# KiCad board processed.kicad_pcb
title: ULX4M-LS; date: 2022-10-01; rev: v0.0.3; company: Intergalaktik d.o.o.; note: License: CERN-OHL-S v2
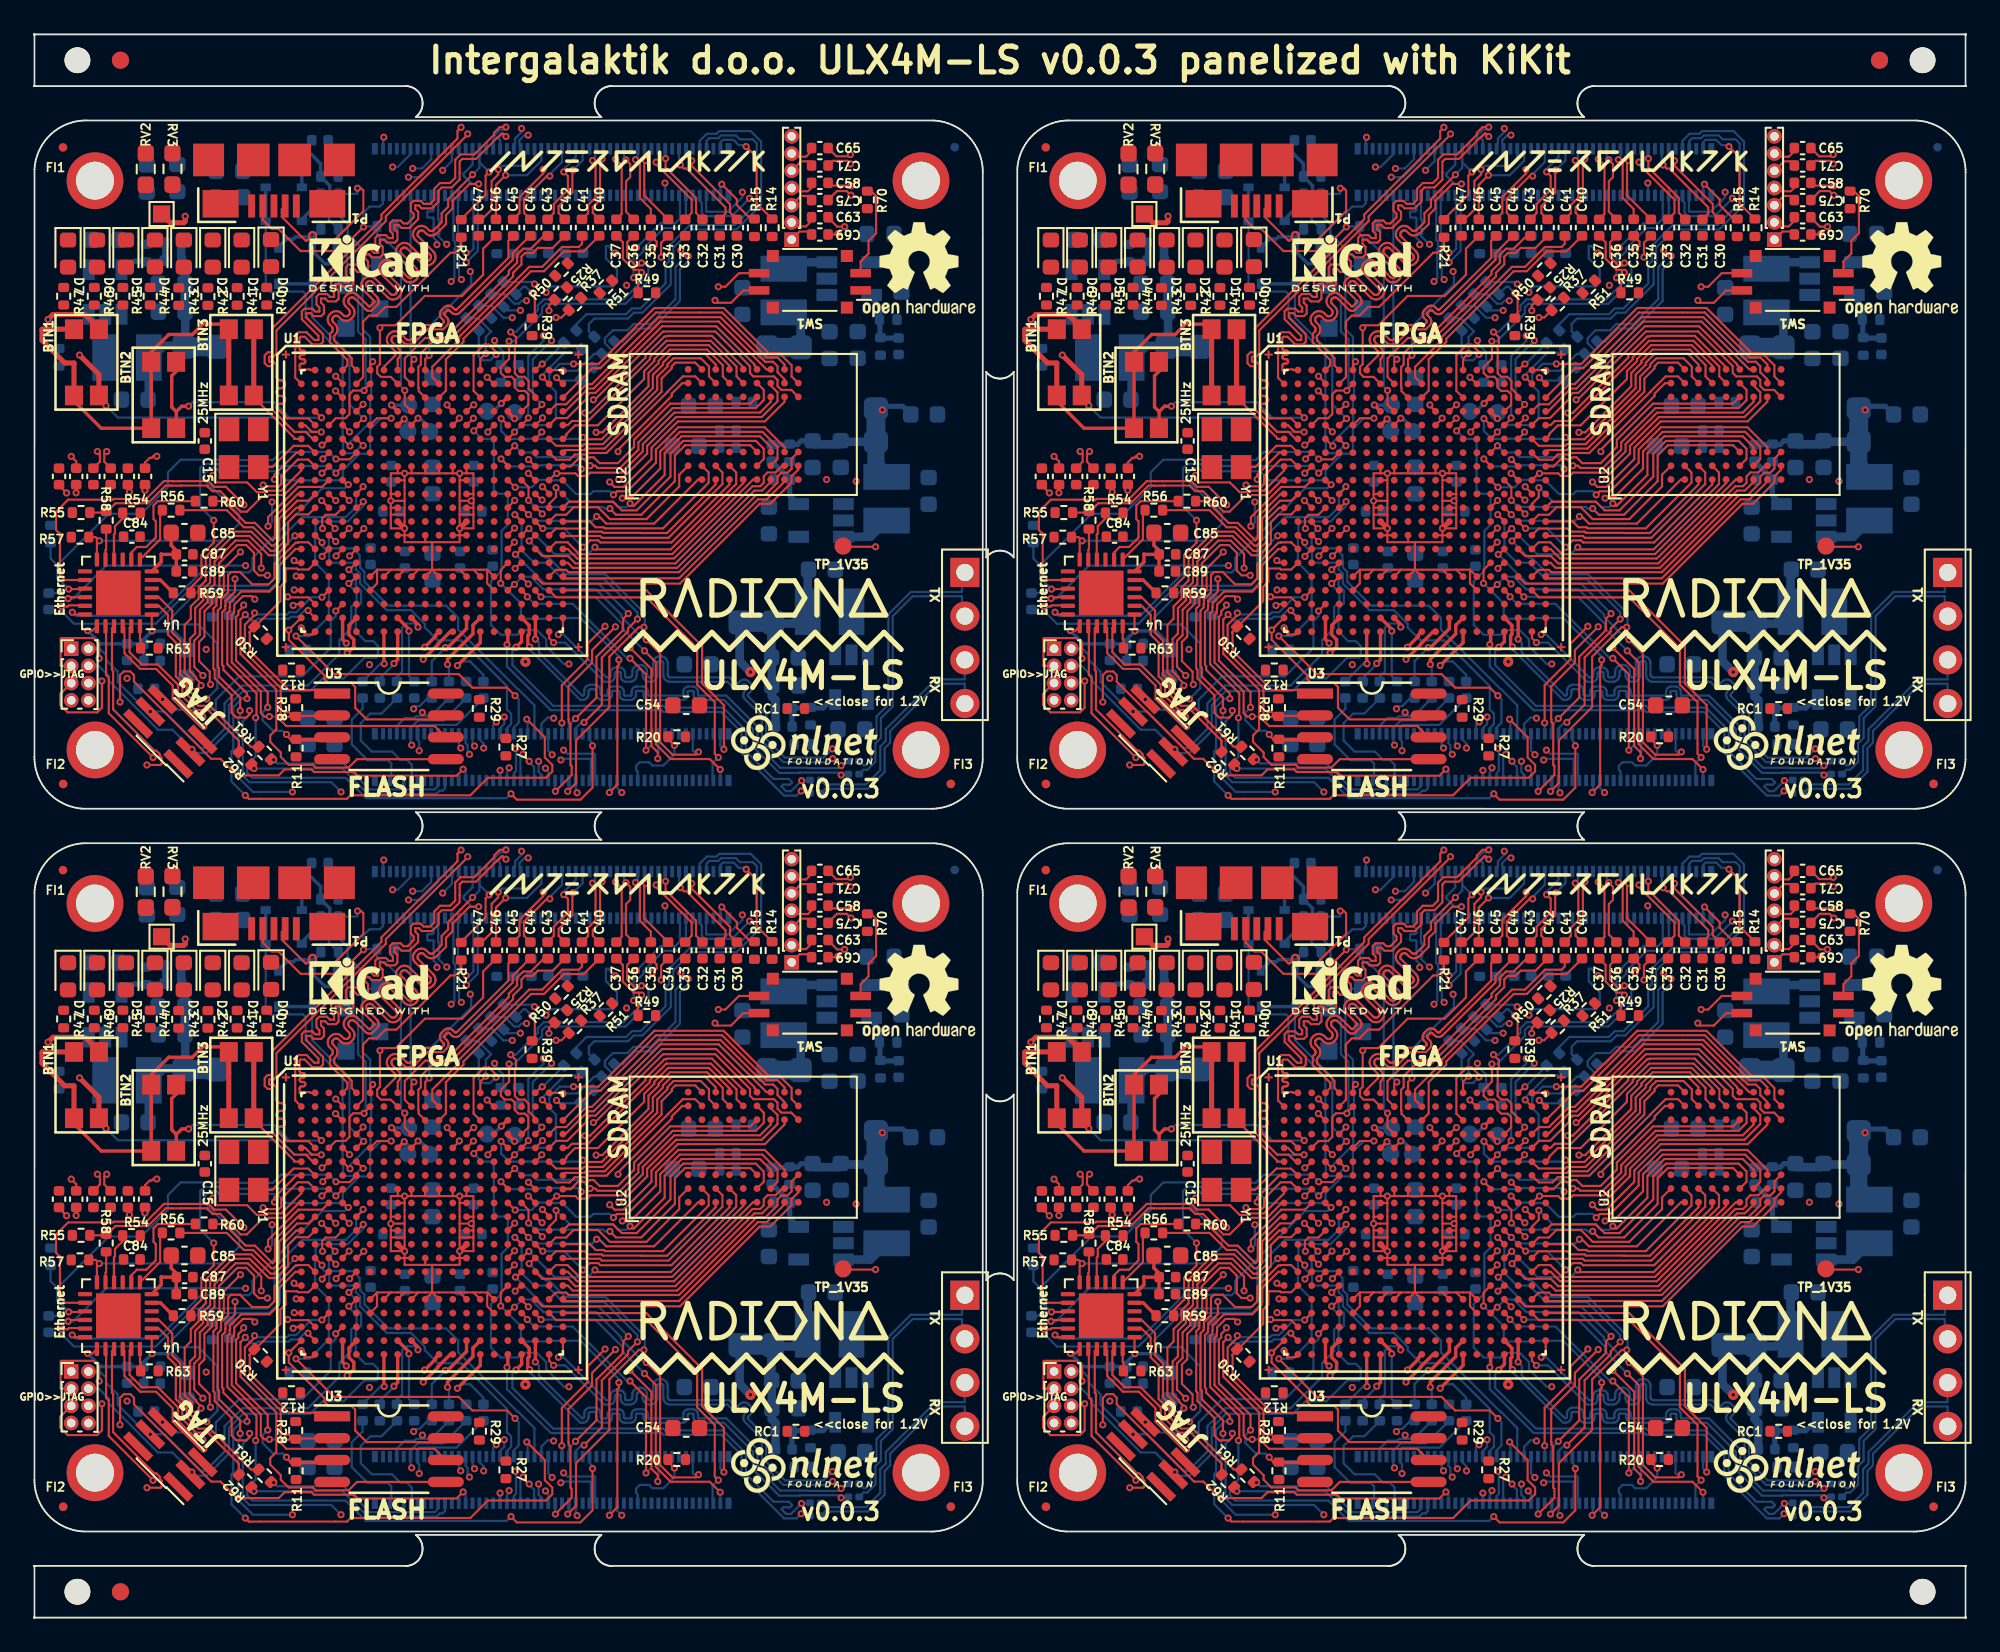
[diagram p0: board, top side]
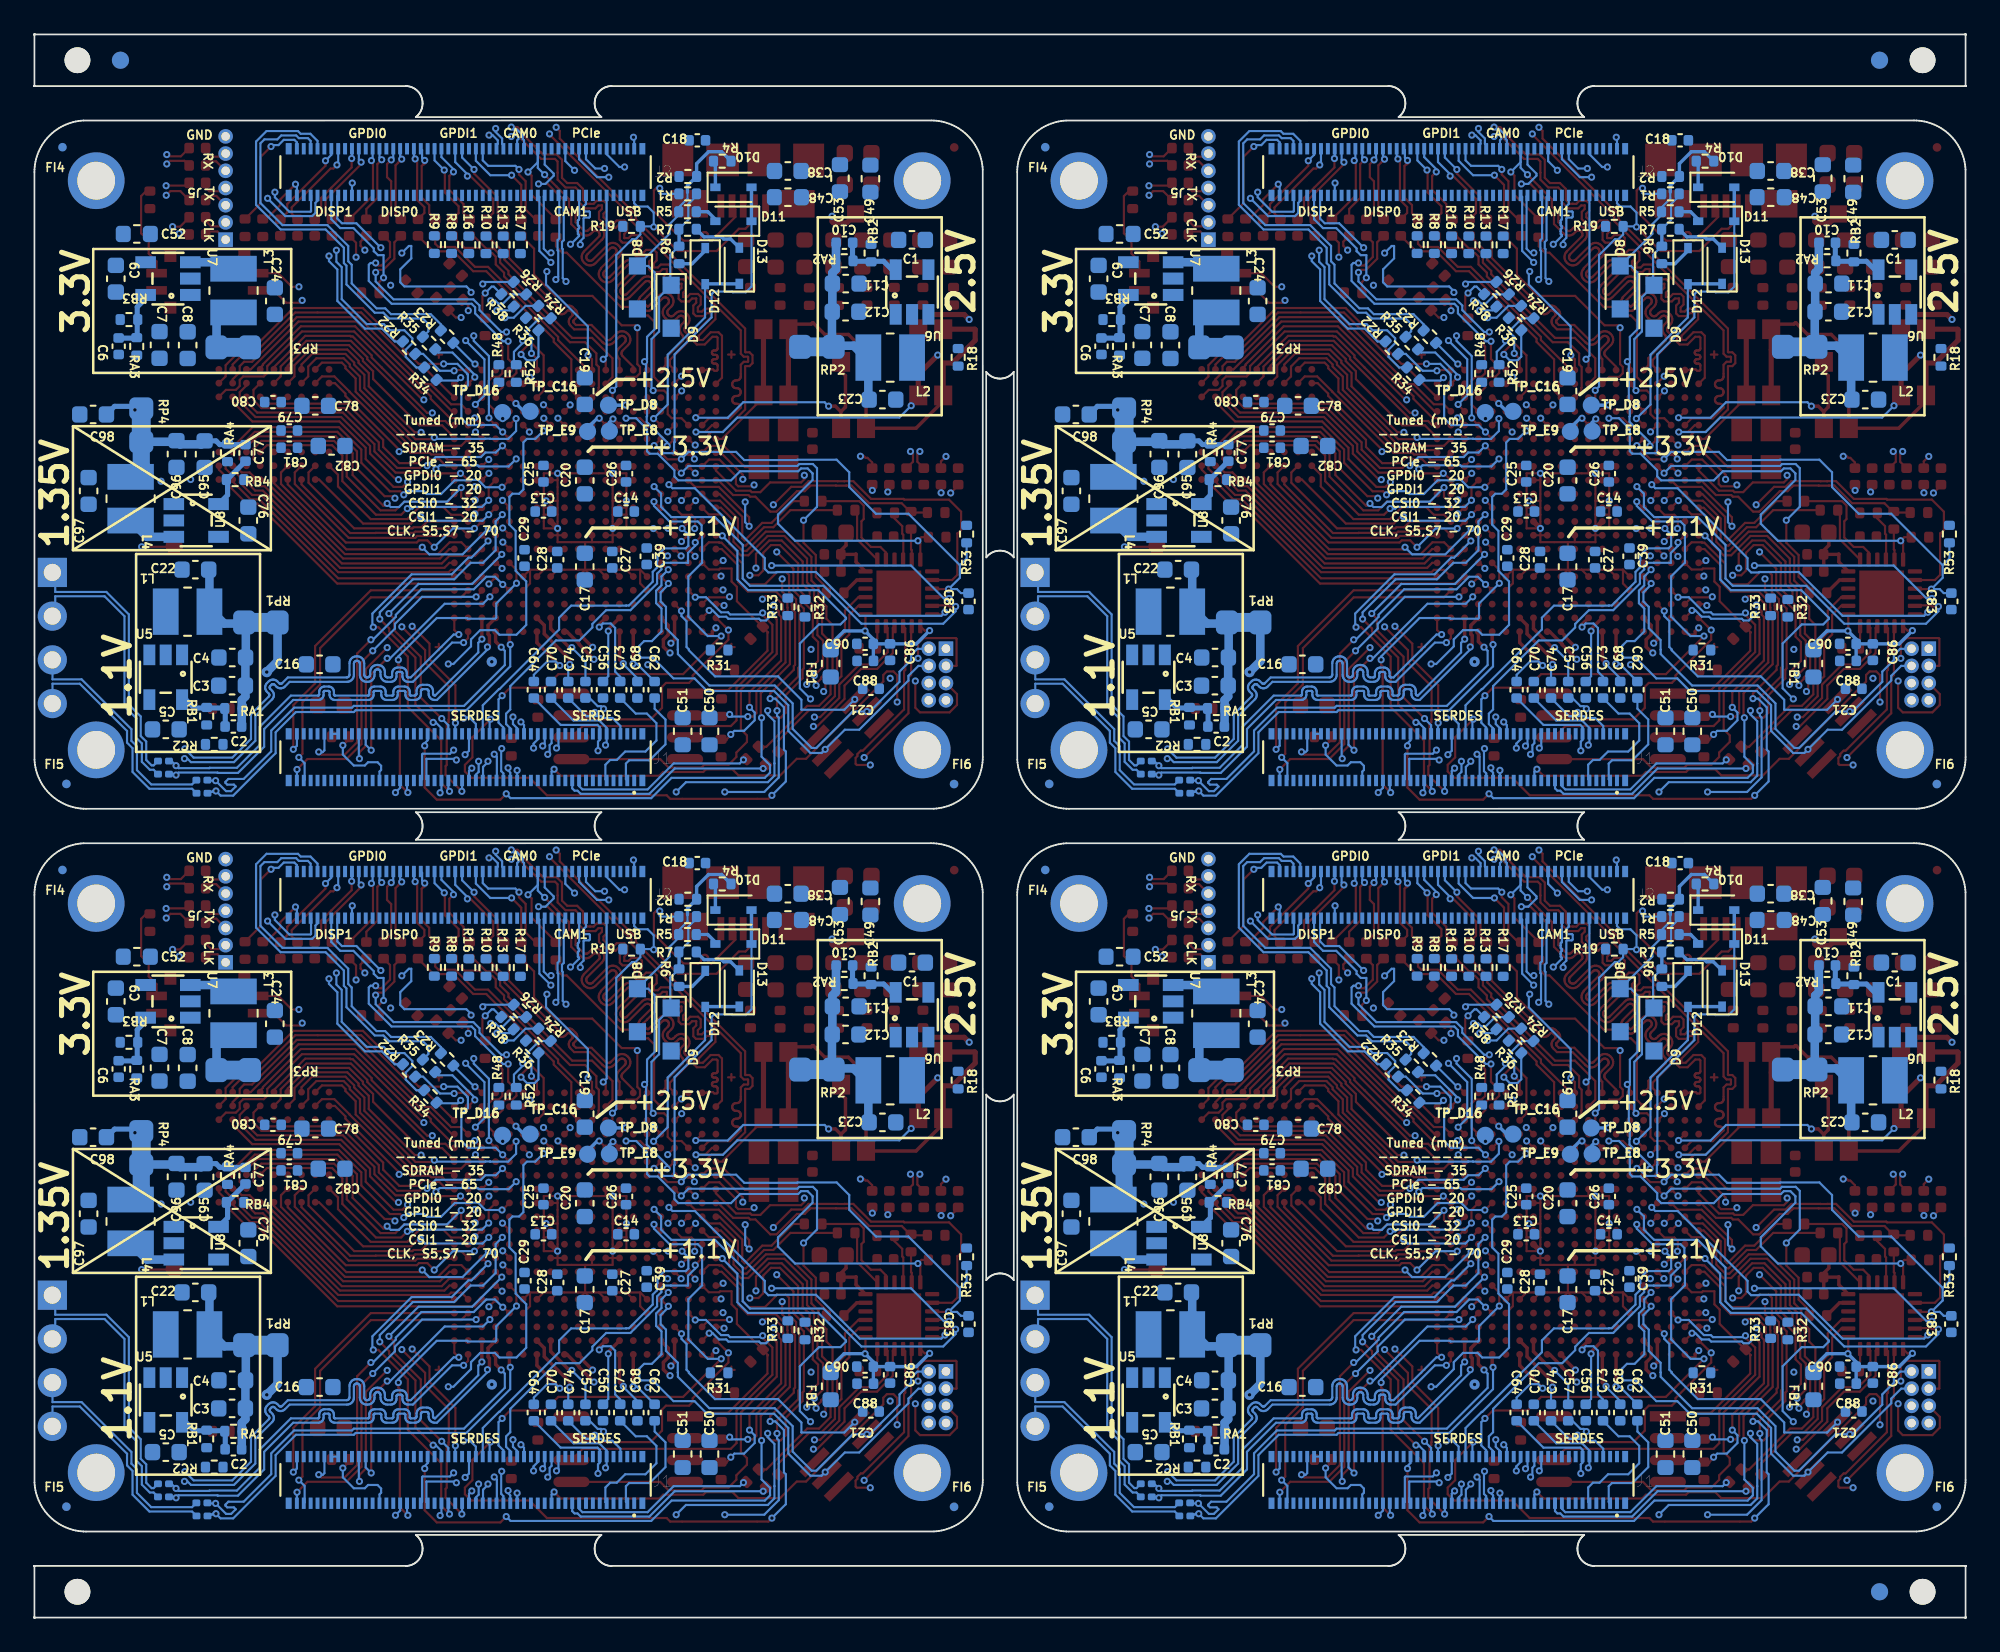
[diagram p1: board, bottom side, seen from below]

Outline 112.22 x 92 mm; copper layers: Top, In1.Cu, In2.Cu, In3.Cu, In4.Cu, Bottom. Coordinates in mm from the lower left corner of the outline.
Outline path: 0,91.99 0,89.01 0.01,89 0.01,89 21.56,89 21.61,89 21.66,89 21.71,88.99 21.76,88.98 21.81,88.97 21.85,88.96 21.9,88.94 21.94,88.92 21.99,88.9 22.03,88.88 22.07,88.86 22.12,88.83 22.15,88.81 22.19,88.78 22.23,88.74 22.27,88.71 22.3,88.67 22.33,88.64 22.36,88.6 22.39,88.56 22.41,88.52 22.44,88.48 22.46,88.43 22.48,88.39 22.5,88.34 22.51,88.3 22.53,88.25 22.54,88.2 22.54,88.16 22.55,88.11 22.55,88.06 22.55,88.01 22.55,87.99 22.55,87.94 22.55,87.89 22.54,87.84 22.54,87.8 22.53,87.75 22.51,87.7 22.5,87.66 22.48,87.61 22.46,87.57 22.44,87.52 22.41,87.48 22.39,87.44 22.36,87.4 22.33,87.36 22.3,87.32 22.27,87.29 22.23,87.25 22.19,87.22 22.16,87.2 32.95,87.2 32.92,87.22 32.88,87.25 32.84,87.29 32.81,87.32 32.78,87.36 32.75,87.4 32.72,87.44 32.7,87.48 32.67,87.52 32.65,87.56 32.63,87.61 32.61,87.65 32.6,87.7 32.58,87.75 32.57,87.79 32.57,87.84 32.56,87.89 32.56,87.94 32.55,87.99 32.55,88.01 32.56,88.06 32.56,88.11 32.57,88.16 32.57,88.2 32.58,88.25 32.6,88.3 32.61,88.34 32.63,88.39 32.65,88.43 32.67,88.48 32.7,88.52 32.72,88.56 32.75,88.6 32.78,88.64 32.81,88.67 32.84,88.71 32.88,88.74 32.92,88.78 32.96,88.81 32.99,88.83 33.04,88.86 33.08,88.88 33.12,88.9 33.17,88.92 33.21,88.94 33.26,88.96 33.3,88.97 33.35,88.98 33.4,88.99 33.45,89 33.5,89 33.55,89 78.67,89 78.72,89 78.77,89 78.82,88.99 78.87,88.98 78.92,88.97 78.96,88.96 79.01,88.94 79.05,88.92 79.1,88.9 79.14,88.88 79.18,88.86 79.23,88.83 79.26,88.81 79.3,88.78 79.34,88.74 79.38,88.71 79.41,88.67 79.44,88.64 79.47,88.6 79.5,88.56 79.52,88.52 79.55,88.48 79.57,88.43 79.59,88.39 79.61,88.34 79.62,88.3 79.64,88.25 79.65,88.2 79.65,88.16 79.66,88.11 79.66,88.06 79.67,88.01 79.67,87.99 79.66,87.94 79.66,87.89 79.65,87.84 79.65,87.8 79.64,87.75 79.62,87.7 79.61,87.66 79.59,87.61 79.57,87.57 79.55,87.52 79.52,87.48 79.5,87.44 79.47,87.4 79.44,87.36 79.41,87.32 79.38,87.29 79.34,87.25 79.3,87.22 79.27,87.2 90.06,87.2 90.03,87.22 89.99,87.25 89.95,87.29 89.92,87.32 89.89,87.36 89.86,87.4 89.83,87.44 89.81,87.48 89.78,87.52 89.76,87.56 89.74,87.61 89.72,87.65 89.71,87.7 89.69,87.75 89.68,87.79 89.68,87.84 89.67,87.89 89.67,87.94 89.67,87.99 89.67,88.01 89.67,88.06 89.67,88.11 89.68,88.16 89.68,88.2 89.69,88.25 89.71,88.3 89.72,88.34 89.74,88.39 89.76,88.43 89.78,88.48 89.81,88.52 89.83,88.56 89.86,88.6 89.89,88.64 89.92,88.67 89.95,88.71 89.99,88.74 90.03,88.78 90.07,88.81 90.1,88.83 90.15,88.86 90.19,88.88 90.23,88.9 90.28,88.92 90.32,88.94 90.37,88.96 90.41,88.97 90.46,88.98 90.51,88.99 90.56,89 90.61,89 90.66,89 112.21,89 112.22,89.01 112.22,89.01 112.22,91.99 112.21,92 112.21,92 0.01,92 0,91.99 0,91.99 ; 0,50 0,84.15 0.02,84.3 0.03,84.45 0.06,84.6 0.1,84.75 0.14,84.9 0.19,85.04 0.24,85.18 0.31,85.32 0.38,85.46 0.45,85.59 0.54,85.71 0.63,85.84 0.72,85.95 0.83,86.07 0.93,86.17 1.05,86.28 1.16,86.37 1.29,86.46 1.41,86.55 1.54,86.62 1.68,86.69 1.82,86.76 1.96,86.81 2.1,86.86 2.25,86.9 2.4,86.94 2.55,86.97 2.7,86.98 2.85,87 3,87 52.26,87 52.41,86.98 52.56,86.97 52.71,86.94 52.86,86.9 53.01,86.86 53.15,86.81 53.29,86.76 53.43,86.69 53.57,86.62 53.7,86.55 53.82,86.46 53.95,86.37 54.06,86.28 54.18,86.17 54.28,86.07 54.39,85.95 54.48,85.84 54.57,85.71 54.66,85.59 54.73,85.46 54.8,85.32 54.87,85.18 54.92,85.04 54.97,84.9 55.01,84.75 55.05,84.6 55.08,84.45 55.09,84.3 55.11,84.15 55.11,84 55.11,49.85 55.09,49.7 55.08,49.55 55.05,49.4 55.01,49.25 54.97,49.1 54.92,48.96 54.87,48.82 54.8,48.68 54.73,48.54 54.66,48.41 54.57,48.29 54.48,48.16 54.39,48.05 54.28,47.93 54.18,47.83 54.06,47.72 53.95,47.63 53.82,47.54 53.7,47.45 53.57,47.38 53.43,47.31 53.29,47.24 53.15,47.19 53.01,47.14 52.86,47.1 52.71,47.06 52.56,47.03 52.41,47.02 52.26,47 52.11,47 2.85,47 2.7,47.02 2.55,47.03 2.4,47.06 2.25,47.1 2.1,47.14 1.96,47.19 1.82,47.24 1.68,47.31 1.54,47.38 1.41,47.45 1.29,47.54 1.16,47.63 1.05,47.72 0.93,47.83 0.83,47.93 0.72,48.05 0.63,48.16 0.54,48.29 0.45,48.41 0.38,48.54 0.31,48.68 0.24,48.82 0.19,48.96 0.14,49.1 0.1,49.25 0.06,49.4 0.03,49.55 0.02,49.7 0,49.85 0,50 ; 0,8 0,42.15 0.02,42.3 0.03,42.45 0.06,42.6 0.1,42.75 0.14,42.9 0.19,43.04 0.24,43.18 0.31,43.32 0.38,43.46 0.45,43.59 0.54,43.71 0.63,43.84 0.72,43.95 0.83,44.07 0.93,44.17 1.05,44.28 1.16,44.37 1.29,44.46 1.41,44.55 1.54,44.62 1.68,44.69 1.82,44.76 1.96,44.81 2.1,44.86 2.25,44.9 2.4,44.94 2.55,44.97 2.7,44.98 2.85,45 3,45 52.26,45 52.41,44.98 52.56,44.97 52.71,44.94 52.86,44.9 53.01,44.86 53.15,44.81 53.29,44.76 53.43,44.69 53.57,44.62 53.7,44.55 53.82,44.46 53.95,44.37 54.06,44.28 54.18,44.17 54.28,44.07 54.39,43.95 54.48,43.84 54.57,43.71 54.66,43.59 54.73,43.46 54.8,43.32 54.87,43.18 54.92,43.04 54.97,42.9 55.01,42.75 55.05,42.6 55.08,42.45 55.09,42.3 55.11,42.15 55.11,42 55.11,7.85 55.09,7.7 55.08,7.55 55.05,7.4 55.01,7.25 54.97,7.1 54.92,6.96 54.87,6.82 54.8,6.68 54.73,6.54 54.66,6.41 54.57,6.29 54.48,6.16 54.39,6.05 54.28,5.93 54.18,5.83 54.06,5.72 53.95,5.63 53.82,5.54 53.7,5.45 53.57,5.38 53.43,5.31 53.29,5.24 53.15,5.19 53.01,5.14 52.86,5.1 52.71,5.06 52.56,5.03 52.41,5.02 52.26,5 52.11,5 2.85,5 2.7,5.02 2.55,5.03 2.4,5.06 2.25,5.1 2.1,5.14 1.96,5.19 1.82,5.24 1.68,5.31 1.54,5.38 1.41,5.45 1.29,5.54 1.16,5.63 1.05,5.72 0.93,5.83 0.83,5.93 0.72,6.05 0.63,6.16 0.54,6.29 0.45,6.41 0.38,6.54 0.31,6.68 0.24,6.82 0.19,6.96 0.14,7.1 0.1,7.25 0.06,7.4 0.03,7.55 0.02,7.7 0,7.85 0,8 ; 0,2.99 0,0.01 0.01,0 0.01,0 112.21,0 112.22,0.01 112.22,0.01 112.22,2.99 112.21,3 112.21,3 90.66,3 90.61,3 90.56,3 90.51,3.01 90.46,3.02 90.41,3.03 90.37,3.04 90.32,3.06 90.28,3.08 90.23,3.1 90.19,3.12 90.15,3.14 90.1,3.17 90.07,3.19 90.03,3.22 89.99,3.26 89.95,3.29 89.92,3.33 89.89,3.36 89.86,3.4 89.83,3.44 89.81,3.48 89.78,3.52 89.76,3.57 89.74,3.61 89.72,3.66 89.71,3.7 89.69,3.75 89.68,3.8 89.68,3.84 89.67,3.89 89.67,3.94 89.67,3.99 89.67,4.01 89.67,4.06 89.67,4.11 89.68,4.16 89.68,4.2 89.69,4.25 89.71,4.3 89.72,4.34 89.74,4.39 89.76,4.43 89.78,4.48 89.81,4.52 89.83,4.56 89.86,4.6 89.89,4.64 89.92,4.68 89.95,4.71 89.99,4.75 90.03,4.78 90.06,4.8 79.27,4.8 79.3,4.78 79.34,4.75 79.38,4.71 79.41,4.68 79.44,4.64 79.47,4.6 79.5,4.56 79.52,4.52 79.55,4.48 79.57,4.44 79.59,4.39 79.61,4.35 79.62,4.3 79.64,4.25 79.65,4.21 79.65,4.16 79.66,4.11 79.66,4.06 79.67,4.01 79.67,3.99 79.66,3.94 79.66,3.89 79.65,3.84 79.65,3.8 79.64,3.75 79.62,3.7 79.61,3.66 79.59,3.61 79.57,3.57 79.55,3.52 79.52,3.48 79.5,3.44 79.47,3.4 79.44,3.36 79.41,3.33 79.38,3.29 79.34,3.26 79.3,3.22 79.26,3.19 79.23,3.17 79.18,3.14 79.14,3.12 79.1,3.1 79.05,3.08 79.01,3.06 78.96,3.04 78.92,3.03 78.87,3.02 78.82,3.01 78.77,3 78.72,3 78.67,3 33.55,3 33.5,3 33.45,3 33.4,3.01 33.35,3.02 33.3,3.03 33.26,3.04 33.21,3.06 33.17,3.08 33.12,3.1 33.08,3.12 33.04,3.14 32.99,3.17 32.96,3.19 32.92,3.22 32.88,3.26 32.84,3.29 32.81,3.33 32.78,3.36 32.75,3.4 32.72,3.44 32.7,3.48 32.67,3.52 32.65,3.57 32.63,3.61 32.61,3.66 32.6,3.7 32.58,3.75 32.57,3.8 32.57,3.84 32.56,3.89 32.56,3.94 32.55,3.99 32.55,4.01 32.56,4.06 32.56,4.11 32.57,4.16 32.57,4.2 32.58,4.25 32.6,4.3 32.61,4.34 32.63,4.39 32.65,4.43 32.67,4.48 32.7,4.52 32.72,4.56 32.75,4.6 32.78,4.64 32.81,4.68 32.84,4.71 32.88,4.75 32.92,4.78 32.95,4.8 22.16,4.8 22.19,4.78 22.23,4.75 22.27,4.71 22.3,4.68 22.33,4.64 22.36,4.6 22.39,4.56 22.41,4.52 22.44,4.48 22.46,4.44 22.48,4.39 22.5,4.35 22.51,4.3 22.53,4.25 22.54,4.21 22.54,4.16 22.55,4.11 22.55,4.06 22.55,4.01 22.55,3.99 22.55,3.94 22.55,3.89 22.54,3.84 22.54,3.8 22.53,3.75 22.51,3.7 22.5,3.66 22.48,3.61 22.46,3.57 22.44,3.52 22.41,3.48 22.39,3.44 22.36,3.4 22.33,3.36 22.3,3.33 22.27,3.29 22.23,3.26 22.19,3.22 22.15,3.19 22.12,3.17 22.07,3.14 22.03,3.12 21.99,3.1 21.94,3.08 21.9,3.06 21.85,3.04 21.81,3.03 21.76,3.02 21.71,3.01 21.66,3 21.61,3 21.56,3 0.01,3 0,2.99 0,2.99 ; 22.16,45.2 32.95,45.2 32.92,45.22 32.88,45.25 32.84,45.29 32.81,45.32 32.78,45.36 32.75,45.4 32.72,45.44 32.7,45.48 32.67,45.52 32.65,45.56 32.63,45.61 32.61,45.65 32.6,45.7 32.58,45.75 32.57,45.79 32.57,45.84 32.56,45.89 32.56,45.94 32.55,45.99 32.55,46.01 32.56,46.06 32.56,46.11 32.57,46.16 32.57,46.2 32.58,46.25 32.6,46.3 32.61,46.34 32.63,46.39 32.65,46.43 32.67,46.48 32.7,46.52 32.72,46.56 32.75,46.6 32.78,46.64 32.81,46.68 32.84,46.71 32.88,46.75 32.92,46.78 32.95,46.8 22.16,46.8 22.19,46.78 22.23,46.75 22.27,46.71 22.3,46.68 22.33,46.64 22.36,46.6 22.39,46.56 22.41,46.52 22.44,46.48 22.46,46.44 22.48,46.39 22.5,46.35 22.51,46.3 22.53,46.25 22.54,46.21 22.54,46.16 22.55,46.11 22.55,46.06 22.55,46.01 22.55,45.99 22.55,45.94 22.55,45.89 22.54,45.84 22.54,45.8 22.53,45.75 22.51,45.7 22.5,45.66 22.48,45.61 22.46,45.57 22.44,45.52 22.41,45.48 22.39,45.44 22.36,45.4 22.33,45.36 22.3,45.32 22.27,45.29 22.23,45.25 22.19,45.22 22.16,45.2 ; 55.31,61.61 55.33,61.64 55.36,61.67 55.4,61.71 55.43,61.74 55.47,61.78 55.51,61.81 55.55,61.83 55.59,61.86 55.63,61.88 55.67,61.9 55.72,61.92 55.76,61.94 55.81,61.96 55.86,61.97 55.9,61.98 55.95,61.99 56,62 56.05,62 56.1,62 56.12,62 56.17,62 56.22,62 56.27,61.99 56.31,61.98 56.36,61.97 56.41,61.96 56.45,61.94 56.5,61.92 56.54,61.9 56.59,61.88 56.63,61.86 56.67,61.83 56.71,61.81 56.75,61.78 56.79,61.74 56.82,61.71 56.85,61.67 56.89,61.64 56.91,61.61 56.91,72.39 56.89,72.36 56.86,72.33 56.82,72.29 56.79,72.26 56.75,72.22 56.71,72.19 56.67,72.17 56.63,72.14 56.59,72.12 56.55,72.1 56.5,72.08 56.46,72.06 56.41,72.04 56.36,72.03 56.32,72.02 56.27,72.01 56.22,72 56.17,72 56.12,72 56.1,72 56.05,72 56,72 55.95,72.01 55.91,72.02 55.86,72.03 55.81,72.04 55.77,72.06 55.72,72.08 55.68,72.1 55.63,72.12 55.59,72.14 55.55,72.17 55.51,72.19 55.47,72.22 55.43,72.26 55.4,72.29 55.37,72.33 55.33,72.36 55.31,72.39 55.31,61.61 ; 55.31,19.61 55.33,19.64 55.36,19.67 55.4,19.71 55.43,19.74 55.47,19.78 55.51,19.81 55.55,19.83 55.59,19.86 55.63,19.88 55.67,19.9 55.72,19.92 55.76,19.94 55.81,19.96 55.86,19.97 55.9,19.98 55.95,19.99 56,20 56.05,20 56.1,20 56.12,20 56.17,20 56.22,20 56.27,19.99 56.31,19.98 56.36,19.97 56.41,19.96 56.45,19.94 56.5,19.92 56.54,19.9 56.59,19.88 56.63,19.86 56.67,19.83 56.71,19.81 56.75,19.78 56.79,19.74 56.82,19.71 56.85,19.67 56.89,19.64 56.91,19.61 56.91,30.39 56.89,30.36 56.86,30.33 56.82,30.29 56.79,30.26 56.75,30.22 56.71,30.19 56.67,30.17 56.63,30.14 56.59,30.12 56.55,30.1 56.5,30.08 56.46,30.06 56.41,30.04 56.36,30.03 56.32,30.02 56.27,30.01 56.22,30 56.17,30 56.12,30 56.1,30 56.05,30 56,30 55.95,30.01 55.91,30.02 55.86,30.03 55.81,30.04 55.77,30.06 55.72,30.08 55.68,30.1 55.63,30.12 55.59,30.14 55.55,30.17 55.51,30.19 55.47,30.22 55.43,30.26 55.4,30.29 55.37,30.33 55.33,30.36 55.31,30.39 55.31,19.61 ; 57.11,50 57.11,84.15 57.13,84.3 57.14,84.45 57.17,84.6 57.21,84.75 57.25,84.9 57.3,85.04 57.35,85.18 57.42,85.32 57.49,85.46 57.56,85.59 57.65,85.71 57.74,85.84 57.83,85.95 57.94,86.07 58.04,86.17 58.16,86.28 58.27,86.37 58.4,86.46 58.52,86.55 58.65,86.62 58.79,86.69 58.93,86.76 59.07,86.81 59.21,86.86 59.36,86.9 59.51,86.94 59.66,86.97 59.81,86.98 59.96,87 60.11,87 109.37,87 109.52,86.98 109.67,86.97 109.82,86.94 109.97,86.9 110.12,86.86 110.26,86.81 110.4,86.76 110.54,86.69 110.68,86.62 110.81,86.55 110.93,86.46 111.06,86.37 111.17,86.28 111.29,86.17 111.39,86.07 111.5,85.95 111.59,85.84 111.68,85.71 111.77,85.59 111.84,85.46 111.91,85.32 111.98,85.18 112.03,85.04 112.08,84.9 112.12,84.75 112.16,84.6 112.19,84.45 112.2,84.3 112.22,84.15 112.22,84 112.22,49.85 112.2,49.7 112.19,49.55 112.16,49.4 112.12,49.25 112.08,49.1 112.03,48.96 111.98,48.82 111.91,48.68 111.84,48.54 111.77,48.41 111.68,48.29 111.59,48.16 111.5,48.05 111.39,47.93 111.29,47.83 111.17,47.72 111.06,47.63 110.93,47.54 110.81,47.45 110.68,47.38 110.54,47.31 110.4,47.24 110.26,47.19 110.12,47.14 109.97,47.1 109.82,47.06 109.67,47.03 109.52,47.02 109.37,47 109.22,47 59.96,47 59.81,47.02 59.66,47.03 59.51,47.06 59.36,47.1 59.21,47.14 59.07,47.19 58.93,47.24 58.79,47.31 58.65,47.38 58.52,47.45 58.4,47.54 58.27,47.63 58.16,47.72 58.04,47.83 57.94,47.93 57.83,48.05 57.74,48.16 57.65,48.29 57.56,48.41 57.49,48.54 57.42,48.68 57.35,48.82 57.3,48.96 57.25,49.1 57.21,49.25 57.17,49.4 57.14,49.55 57.13,49.7 57.11,49.85 57.11,50 ; 57.11,8 57.11,42.15 57.13,42.3 57.14,42.45 57.17,42.6 57.21,42.75 57.25,42.9 57.3,43.04 57.35,43.18 57.42,43.32 57.49,43.46 57.56,43.59 57.65,43.71 57.74,43.84 57.83,43.95 57.94,44.07 58.04,44.17 58.16,44.28 58.27,44.37 58.4,44.46 58.52,44.55 58.65,44.62 58.79,44.69 58.93,44.76 59.07,44.81 59.21,44.86 59.36,44.9 59.51,44.94 59.66,44.97 59.81,44.98 59.96,45 60.11,45 109.37,45 109.52,44.98 109.67,44.97 109.82,44.94 109.97,44.9 110.12,44.86 110.26,44.81 110.4,44.76 110.54,44.69 110.68,44.62 110.81,44.55 110.93,44.46 111.06,44.37 111.17,44.28 111.29,44.17 111.39,44.07 111.5,43.95 111.59,43.84 111.68,43.71 111.77,43.59 111.84,43.46 111.91,43.32 111.98,43.18 112.03,43.04 112.08,42.9 112.12,42.75 112.16,42.6 112.19,42.45 112.2,42.3 112.22,42.15 112.22,42 112.22,7.85 112.2,7.7 112.19,7.55 112.16,7.4 112.12,7.25 112.08,7.1 112.03,6.96 111.98,6.82 111.91,6.68 111.84,6.54 111.77,6.41 111.68,6.29 111.59,6.16 111.5,6.05 111.39,5.93 111.29,5.83 111.17,5.72 111.06,5.63 110.93,5.54 110.81,5.45 110.68,5.38 110.54,5.31 110.4,5.24 110.26,5.19 110.12,5.14 109.97,5.1 109.82,5.06 109.67,5.03 109.52,5.02 109.37,5 109.22,5 59.96,5 59.81,5.02 59.66,5.03 59.51,5.06 59.36,5.1 59.21,5.14 59.07,5.19 58.93,5.24 58.79,5.31 58.65,5.38 58.52,5.45 58.4,5.54 58.27,5.63 58.16,5.72 58.04,5.83 57.94,5.93 57.83,6.05 57.74,6.16 57.65,6.29 57.56,6.41 57.49,6.54 57.42,6.68 57.35,6.82 57.3,6.96 57.25,7.1 57.21,7.25 57.17,7.4 57.14,7.55 57.13,7.7 57.11,7.85 57.11,8 ; 79.27,45.2 90.06,45.2 90.03,45.22 89.99,45.25 89.95,45.29 89.92,45.32 89.89,45.36 89.86,45.4 89.83,45.44 89.81,45.48 89.78,45.52 89.76,45.56 89.74,45.61 89.72,45.65 89.71,45.7 89.69,45.75 89.68,45.79 89.68,45.84 89.67,45.89 89.67,45.94 89.67,45.99 89.67,46.01 89.67,46.06 89.67,46.11 89.68,46.16 89.68,46.2 89.69,46.25 89.71,46.3 89.72,46.34 89.74,46.39 89.76,46.43 89.78,46.48 89.81,46.52 89.83,46.56 89.86,46.6 89.89,46.64 89.92,46.68 89.95,46.71 89.99,46.75 90.03,46.78 90.06,46.8 79.27,46.8 79.3,46.78 79.34,46.75 79.38,46.71 79.41,46.68 79.44,46.64 79.47,46.6 79.5,46.56 79.52,46.52 79.55,46.48 79.57,46.44 79.59,46.39 79.61,46.35 79.62,46.3 79.64,46.25 79.65,46.21 79.65,46.16 79.66,46.11 79.66,46.06 79.67,46.01 79.67,45.99 79.66,45.94 79.66,45.89 79.65,45.84 79.65,45.8 79.64,45.75 79.62,45.7 79.61,45.66 79.59,45.61 79.57,45.57 79.55,45.52 79.52,45.48 79.5,45.44 79.47,45.4 79.44,45.36 79.41,45.32 79.38,45.29 79.34,45.25 79.3,45.22 79.27,45.2

## Placement (name value [footprint] x y rotation side)
1.1V_1  1.1V  [TestPoint_Pad_1.0x1.0mm]  7.39 81.57 0 top
1.1V_1#2  1.1V  [TestPoint_Pad_1.0x1.0mm]  7.39 39.56 0 top
1.1V_1#3  1.1V  [TestPoint_Pad_1.0x1.0mm]  64.5 39.56 0 top
1.1V_1#4  1.1V  [TestPoint_Pad_1.0x1.0mm]  64.5 81.57 0 top
BTN1  SW_Push  [Switch_EVPAA]  3.02 72.95 90 top
BTN1#2  SW_Push  [Switch_EVPAA]  60.14 72.95 90 top
BTN1#3  SW_Push  [Switch_EVPAA]  60.14 30.94 90 top
BTN1#4  SW_Push  [Switch_EVPAA]  3.02 30.94 90 top
BTN2  SW_Push  [Switch_EVPAA]  7.51 71.05 90 top
BTN2#2  SW_Push  [Switch_EVPAA]  64.62 71.05 90 top
BTN2#3  SW_Push  [Switch_EVPAA]  7.51 29.04 90 top
BTN2#4  SW_Push  [Switch_EVPAA]  64.62 29.04 90 top
BTN3  SW_Push  [Switch_EVPAA]  12.02 72.95 90 top
BTN3#2  SW_Push  [Switch_EVPAA]  69.13 72.95 90 top
BTN3#3  SW_Push  [Switch_EVPAA]  12.02 30.94 90 top
BTN3#4  SW_Push  [Switch_EVPAA]  69.13 30.94 90 top
C1  22uF  [C_0603_1608Metric]  4.11 80.06 0 bottom
C1#2  22uF  [C_0603_1608Metric]  61.23 80.06 0 bottom
C1#3  22uF  [C_0603_1608Metric]  61.23 38.06 0 bottom
C1#4  22uF  [C_0603_1608Metric]  4.11 38.06 0 bottom
C2  100pF  [C_0402_1005Metric]  43.55 51.78 0 bottom
C2#2  100pF  [C_0402_1005Metric]  100.66 51.78 0 bottom
C2#3  100pF  [C_0402_1005Metric]  43.55 9.78 0 bottom
C2#4  100pF  [C_0402_1005Metric]  100.66 9.78 0 bottom
C3  22uF  [C_0603_1608Metric]  43.62 54.16 0 bottom
C3#2  22uF  [C_0603_1608Metric]  100.74 54.16 0 bottom
C3#3  22uF  [C_0603_1608Metric]  43.62 12.15 0 bottom
C3#4  22uF  [C_0603_1608Metric]  100.74 12.15 0 bottom
C4  22uF  [C_0603_1608Metric]  43.62 55.79 0 bottom
C4#2  22uF  [C_0603_1608Metric]  100.73 55.79 0 bottom
C4#3  22uF  [C_0603_1608Metric]  43.62 13.79 0 bottom
C4#4  22uF  [C_0603_1608Metric]  100.73 13.79 0 bottom
C5  22uF  [C_0603_1608Metric]  47.48 51.62 180 bottom
C5#2  22uF  [C_0603_1608Metric]  104.59 51.62 180 bottom
C5#3  22uF  [C_0603_1608Metric]  47.48 9.61 180 bottom
C5#4  22uF  [C_0603_1608Metric]  104.59 9.61 180 bottom
C6  100pF  [C_0402_1005Metric]  50.21 73.88 90 bottom
C6#2  100pF  [C_0402_1005Metric]  107.33 73.88 90 bottom
C6#3  100pF  [C_0402_1005Metric]  50.21 31.88 90 bottom
C6#4  100pF  [C_0402_1005Metric]  107.33 31.88 90 bottom
C7  22uF  [C_0603_1608Metric]  47.84 73.96 90 bottom
C7#2  22uF  [C_0603_1608Metric]  104.95 73.96 90 bottom
C7#3  22uF  [C_0603_1608Metric]  47.84 31.95 90 bottom
C7#4  22uF  [C_0603_1608Metric]  104.95 31.95 90 bottom
C8  22uF  [C_0603_1608Metric]  46.2 73.95 90 bottom
C8#2  22uF  [C_0603_1608Metric]  103.32 73.95 90 bottom
C8#3  22uF  [C_0603_1608Metric]  46.2 31.94 90 bottom
C8#4  22uF  [C_0603_1608Metric]  103.32 31.94 90 bottom
C9  22uF  [C_0603_1608Metric]  50.38 77.81 270 bottom
C9#2  22uF  [C_0603_1608Metric]  107.49 77.81 270 bottom
C9#3  22uF  [C_0603_1608Metric]  50.38 35.8 270 bottom
C9#4  22uF  [C_0603_1608Metric]  107.49 35.8 270 bottom
C10  100pF  [C_0402_1005Metric]  8.04 79.9 180 bottom
C10#2  100pF  [C_0402_1005Metric]  65.15 79.9 180 bottom
C10#3  100pF  [C_0402_1005Metric]  8.04 37.89 180 bottom
C10#4  100pF  [C_0402_1005Metric]  65.15 37.89 180 bottom
C11  22uF  [C_0603_1608Metric]  7.96 77.52 180 bottom
C11#2  22uF  [C_0603_1608Metric]  65.08 77.52 180 bottom
C11#3  22uF  [C_0603_1608Metric]  7.96 35.52 180 bottom
C11#4  22uF  [C_0603_1608Metric]  65.08 35.52 180 bottom
C12  22uF  [C_0603_1608Metric]  7.98 75.89 180 bottom
C12#2  22uF  [C_0603_1608Metric]  65.09 75.89 180 bottom
C12#3  22uF  [C_0603_1608Metric]  7.98 33.88 180 bottom
C12#4  22uF  [C_0603_1608Metric]  65.09 33.88 180 bottom
C13  22nF  [C_0402_1005Metric]  25.53 64.28 180 bottom
C13#2  22nF  [C_0402_1005Metric]  82.64 64.28 180 bottom
C13#3  22nF  [C_0402_1005Metric]  25.53 22.27 180 bottom
C13#4  22nF  [C_0402_1005Metric]  82.64 22.27 180 bottom
C14  22nF  [C_0402_1005Metric]  20.73 64.28 0 bottom
C14#2  22nF  [C_0402_1005Metric]  77.84 64.28 0 bottom
C14#3  22nF  [C_0402_1005Metric]  20.73 22.27 0 bottom
C14#4  22nF  [C_0402_1005Metric]  77.84 22.27 0 bottom
C15  22nF  [C_0402_1005Metric]  9.9 68.38 270 top
C15#2  22nF  [C_0402_1005Metric]  67.01 68.38 270 top
C15#3  22nF  [C_0402_1005Metric]  9.9 26.37 270 top
C15#4  22nF  [C_0402_1005Metric]  67.01 26.37 270 top
C16  2.2uF  [C_0603_1608Metric]  38.54 55.4 0 bottom
C16#2  2.2uF  [C_0603_1608Metric]  95.65 55.4 0 bottom
C16#3  2.2uF  [C_0603_1608Metric]  38.54 13.39 0 bottom
C16#4  2.2uF  [C_0603_1608Metric]  95.65 13.39 0 bottom
C17  2.2uF  [C_0603_1608Metric]  23.13 61.08 270 bottom
C17#2  2.2uF  [C_0603_1608Metric]  80.24 61.08 270 bottom
C17#3  2.2uF  [C_0603_1608Metric]  23.13 19.07 270 bottom
C17#4  2.2uF  [C_0603_1608Metric]  80.24 19.07 270 bottom
C18  22nF  [C_0402_1005Metric]  16.59 85.85 0 bottom
C18#2  22nF  [C_0402_1005Metric]  73.7 85.85 0 bottom
C18#3  22nF  [C_0402_1005Metric]  16.59 43.84 0 bottom
C18#4  22nF  [C_0402_1005Metric]  73.7 43.84 0 bottom
C19  2.2uF  [C_0603_1608Metric]  23.13 71.28 90 bottom
C19#2  2.2uF  [C_0603_1608Metric]  80.24 71.28 90 bottom
C19#3  2.2uF  [C_0603_1608Metric]  23.13 29.27 90 bottom
C19#4  2.2uF  [C_0603_1608Metric]  80.24 29.27 90 bottom
C20  2.2uF  [C_0603_1608Metric]  23.13 66.08 270 bottom
C20#2  2.2uF  [C_0603_1608Metric]  80.24 66.08 270 bottom
C20#3  2.2uF  [C_0603_1608Metric]  23.13 24.07 270 bottom
C20#4  2.2uF  [C_0603_1608Metric]  80.24 24.07 270 bottom
C21  22nF  [C_0402_1005Metric]  6.5 53.98 180 bottom
C21#2  22nF  [C_0402_1005Metric]  63.61 53.98 180 bottom
C21#3  22nF  [C_0402_1005Metric]  6.5 11.97 180 bottom
C21#4  22nF  [C_0402_1005Metric]  63.61 11.97 180 bottom
C22  2.2uF  [C_0603_1608Metric]  45.76 60.9 0 bottom
C22#2  2.2uF  [C_0603_1608Metric]  102.87 60.9 0 bottom
C22#3  2.2uF  [C_0603_1608Metric]  45.76 18.9 0 bottom
C22#4  2.2uF  [C_0603_1608Metric]  102.87 18.9 0 bottom
C23  2.2uF  [C_0603_1608Metric]  5.83 70.78 180 bottom
C23#2  2.2uF  [C_0603_1608Metric]  62.94 70.78 180 bottom
C23#3  2.2uF  [C_0603_1608Metric]  5.83 28.78 180 bottom
C23#4  2.2uF  [C_0603_1608Metric]  62.94 28.78 180 bottom
C24  2.2uF  [C_0603_1608Metric]  41.14 76.51 90 bottom
C24#2  2.2uF  [C_0603_1608Metric]  98.25 76.51 90 bottom
C24#3  2.2uF  [C_0603_1608Metric]  41.14 34.5 90 bottom
C24#4  2.2uF  [C_0603_1608Metric]  98.25 34.5 90 bottom
C25  22nF  [C_0402_1005Metric]  25.53 66.48 270 bottom
C25#2  22nF  [C_0402_1005Metric]  82.64 66.48 270 bottom
C25#3  22nF  [C_0402_1005Metric]  25.53 24.47 270 bottom
C25#4  22nF  [C_0402_1005Metric]  82.64 24.47 270 bottom
C26  22nF  [C_0402_1005Metric]  20.73 66.48 270 bottom
C26#2  22nF  [C_0402_1005Metric]  77.84 66.48 270 bottom
C26#3  22nF  [C_0402_1005Metric]  20.73 24.47 270 bottom
C26#4  22nF  [C_0402_1005Metric]  77.84 24.47 270 bottom
C27  22nF  [C_0402_1005Metric]  21.53 61.48 270 bottom
C27#2  22nF  [C_0402_1005Metric]  78.64 61.48 270 bottom
C27#3  22nF  [C_0402_1005Metric]  21.53 19.47 270 bottom
C27#4  22nF  [C_0402_1005Metric]  78.64 19.47 270 bottom
C28  22nF  [C_0402_1005Metric]  24.73 61.48 270 bottom
C28#2  22nF  [C_0402_1005Metric]  81.84 61.48 270 bottom
C28#3  22nF  [C_0402_1005Metric]  24.73 19.47 270 bottom
C28#4  22nF  [C_0402_1005Metric]  81.84 19.47 270 bottom
C29  22nF  [C_0402_1005Metric]  26.63 61.58 270 bottom
C29#2  22nF  [C_0402_1005Metric]  83.74 61.58 270 bottom
C29#3  22nF  [C_0402_1005Metric]  26.63 19.57 270 bottom
C29#4  22nF  [C_0402_1005Metric]  83.74 19.57 270 bottom
C30  100n  [C_0402_1005Metric]  40.82 80.78 90 top
C30#2  100n  [C_0402_1005Metric]  97.93 80.78 90 top
C30#3  100n  [C_0402_1005Metric]  40.82 38.77 90 top
C30#4  100n  [C_0402_1005Metric]  97.93 38.77 90 top
C31  100n  [C_0402_1005Metric]  39.82 80.78 90 top
C31#2  100n  [C_0402_1005Metric]  96.93 80.78 90 top
C31#3  100n  [C_0402_1005Metric]  39.82 38.77 90 top
C31#4  100n  [C_0402_1005Metric]  96.93 38.77 90 top
C32  100n  [C_0402_1005Metric]  38.82 80.78 90 top
C32#2  100n  [C_0402_1005Metric]  95.93 80.78 90 top
C32#3  100n  [C_0402_1005Metric]  38.82 38.77 90 top
C32#4  100n  [C_0402_1005Metric]  95.93 38.77 90 top
C33  100n  [C_0402_1005Metric]  37.82 80.78 90 top
C33#2  100n  [C_0402_1005Metric]  94.93 80.78 90 top
C33#3  100n  [C_0402_1005Metric]  37.82 38.77 90 top
C33#4  100n  [C_0402_1005Metric]  94.93 38.77 90 top
C34  100n  [C_0402_1005Metric]  36.82 80.78 90 top
C34#2  100n  [C_0402_1005Metric]  36.82 38.77 90 top
C34#3  100n  [C_0402_1005Metric]  93.93 38.77 90 top
C34#4  100n  [C_0402_1005Metric]  93.93 80.78 90 top
C35  100n  [C_0402_1005Metric]  35.82 80.78 90 top
C35#2  100n  [C_0402_1005Metric]  92.93 80.78 90 top
C35#3  100n  [C_0402_1005Metric]  35.82 38.77 90 top
C35#4  100n  [C_0402_1005Metric]  92.93 38.77 90 top
C36  100n  [C_0402_1005Metric]  34.82 80.78 90 top
C36#2  100n  [C_0402_1005Metric]  91.93 80.78 90 top
C36#3  100n  [C_0402_1005Metric]  34.82 38.77 90 top
C36#4  100n  [C_0402_1005Metric]  91.93 38.77 90 top
C37  100n  [C_0402_1005Metric]  33.82 80.78 90 top
C37#2  100n  [C_0402_1005Metric]  90.93 80.78 90 top
C37#3  100n  [C_0402_1005Metric]  33.82 38.77 90 top
C37#4  100n  [C_0402_1005Metric]  90.93 38.77 90 top
C38  2.2uF  [C_0603_1608Metric]  11.33 84.07 180 bottom
C38#2  2.2uF  [C_0603_1608Metric]  68.44 84.07 180 bottom
C38#3  2.2uF  [C_0603_1608Metric]  11.33 42.06 180 bottom
C38#4  2.2uF  [C_0603_1608Metric]  68.44 42.06 180 bottom
C39  22nF  [C_0402_1005Metric]  19.53 61.68 270 bottom
C39#2  22nF  [C_0402_1005Metric]  76.64 61.68 270 bottom
C39#3  22nF  [C_0402_1005Metric]  19.53 19.67 270 bottom
C39#4  22nF  [C_0402_1005Metric]  76.64 19.67 270 bottom
C40  100n  [C_0402_1005Metric]  32.82 80.78 90 top
C40#2  100n  [C_0402_1005Metric]  89.93 80.78 90 top
C40#3  100n  [C_0402_1005Metric]  32.82 38.77 90 top
C40#4  100n  [C_0402_1005Metric]  89.93 38.77 90 top
C41  100n  [C_0402_1005Metric]  31.82 80.78 90 top
C41#2  100n  [C_0402_1005Metric]  88.93 80.78 90 top
C41#3  100n  [C_0402_1005Metric]  31.82 38.77 90 top
C41#4  100n  [C_0402_1005Metric]  88.93 38.77 90 top
C42  100n  [C_0402_1005Metric]  30.82 80.78 90 top
C42#2  100n  [C_0402_1005Metric]  87.93 80.78 90 top
C42#3  100n  [C_0402_1005Metric]  30.82 38.77 90 top
C42#4  100n  [C_0402_1005Metric]  87.93 38.77 90 top
C43  100n  [C_0402_1005Metric]  29.82 80.78 90 top
C43#2  100n  [C_0402_1005Metric]  86.93 80.78 90 top
C43#3  100n  [C_0402_1005Metric]  29.82 38.77 90 top
C43#4  100n  [C_0402_1005Metric]  86.93 38.77 90 top
C44  100n  [C_0402_1005Metric]  28.82 80.78 90 top
C44#2  100n  [C_0402_1005Metric]  85.93 80.78 90 top
C44#3  100n  [C_0402_1005Metric]  28.82 38.77 90 top
C44#4  100n  [C_0402_1005Metric]  85.93 38.77 90 top
C45  100n  [C_0402_1005Metric]  27.82 80.78 90 top
C45#2  100n  [C_0402_1005Metric]  84.93 80.78 90 top
C45#3  100n  [C_0402_1005Metric]  27.82 38.77 90 top
C45#4  100n  [C_0402_1005Metric]  84.93 38.77 90 top
C46  100n  [C_0402_1005Metric]  26.82 80.78 90 top
C46#2  100n  [C_0402_1005Metric]  83.93 80.78 90 top
C46#3  100n  [C_0402_1005Metric]  26.82 38.77 90 top
C46#4  100n  [C_0402_1005Metric]  83.93 38.77 90 top
C47  100n  [C_0402_1005Metric]  25.82 80.78 90 top
C47#2  100n  [C_0402_1005Metric]  82.93 80.78 90 top
C47#3  100n  [C_0402_1005Metric]  25.82 38.77 90 top
C47#4  100n  [C_0402_1005Metric]  82.93 38.77 90 top
C48  22nF  [C_0603_1608Metric]  11.32 82.54 180 bottom
C48#2  22nF  [C_0603_1608Metric]  68.44 82.54 180 bottom
C48#3  22nF  [C_0603_1608Metric]  11.32 40.54 180 bottom
C48#4  22nF  [C_0603_1608Metric]  68.44 40.54 180 bottom
C49  22nF  [C_0603_1608Metric]  6.53 83.62 270 bottom
C49#2  22nF  [C_0603_1608Metric]  63.64 83.62 270 bottom
C49#3  22nF  [C_0603_1608Metric]  6.53 41.61 270 bottom
C49#4  22nF  [C_0603_1608Metric]  63.64 41.61 270 bottom
C50  22nF  [C_0603_1608Metric]  15.88 51.51 270 bottom
C50#2  22nF  [C_0603_1608Metric]  72.99 51.51 270 bottom
C50#3  22nF  [C_0603_1608Metric]  15.88 9.5 270 bottom
C50#4  22nF  [C_0603_1608Metric]  72.99 9.5 270 bottom
C51  22nF  [C_0603_1608Metric]  17.44 51.51 270 bottom
C51#2  22nF  [C_0603_1608Metric]  74.55 51.51 270 bottom
C51#3  22nF  [C_0603_1608Metric]  74.55 9.5 270 bottom
C51#4  22nF  [C_0603_1608Metric]  17.44 9.5 270 bottom
C52  22nF  [C_0603_1608Metric]  49.16 80.41 0 bottom
C52#2  22nF  [C_0603_1608Metric]  106.27 80.41 0 bottom
C52#3  22nF  [C_0603_1608Metric]  106.27 38.4 0 bottom
C52#4  22nF  [C_0603_1608Metric]  49.16 38.4 0 bottom
C53  22nF  [C_0603_1608Metric]  8.3 83.65 270 bottom
C53#2  22nF  [C_0603_1608Metric]  65.41 83.65 270 bottom
C53#3  22nF  [C_0603_1608Metric]  8.3 41.64 270 bottom
C53#4  22nF  [C_0603_1608Metric]  65.41 41.64 270 bottom
C54  2.2uF  [C_0603_1608Metric]  37.88 53.02 0 top
C54#2  2.2uF  [C_0603_1608Metric]  94.99 53.02 0 top
C54#3  2.2uF  [C_0603_1608Metric]  37.88 11.01 0 top
C54#4  2.2uF  [C_0603_1608Metric]  94.99 11.01 0 top
C55  22n  [C_0402_1005Metric]  6.43 66.32 270 top
C55#2  22n  [C_0402_1005Metric]  63.54 66.32 270 top
C55#3  22n  [C_0402_1005Metric]  6.43 24.31 270 top
C55#4  22n  [C_0402_1005Metric]  63.54 24.31 270 top
C56  22n  [C_0402_1005Metric]  22.07 53.92 90 bottom
C56#2  22n  [C_0402_1005Metric]  79.18 53.92 90 bottom
C56#3  22n  [C_0402_1005Metric]  22.07 11.91 90 bottom
C56#4  22n  [C_0402_1005Metric]  79.18 11.91 90 bottom
C57  22n  [C_0402_1005Metric]  23.09 53.92 90 bottom
C57#2  22n  [C_0402_1005Metric]  80.2 53.92 90 bottom
C57#3  22n  [C_0402_1005Metric]  23.09 11.91 90 bottom
C57#4  22n  [C_0402_1005Metric]  80.2 11.91 90 bottom
C58  22n  [C_0402_1005Metric]  45.64 83.38 0 top
C58#2  22n  [C_0402_1005Metric]  102.75 83.38 0 top
C58#3  22n  [C_0402_1005Metric]  45.64 41.37 0 top
C58#4  22n  [C_0402_1005Metric]  102.75 41.37 0 top
C59  22n  [C_0402_1005Metric]  2.43 66.32 270 top
C59#2  22n  [C_0402_1005Metric]  59.54 66.32 270 top
C59#3  22n  [C_0402_1005Metric]  59.54 24.31 270 top
C59#4  22n  [C_0402_1005Metric]  2.43 24.31 270 top
C61  22n  [C_0402_1005Metric]  4.43 66.32 270 top
C61#2  22n  [C_0402_1005Metric]  61.54 66.32 270 top
C61#3  22n  [C_0402_1005Metric]  4.43 24.31 270 top
C61#4  22n  [C_0402_1005Metric]  61.54 24.31 270 top
C62  22n  [C_0402_1005Metric]  19.07 53.92 90 bottom
C62#2  22n  [C_0402_1005Metric]  76.18 53.92 90 bottom
C62#3  22n  [C_0402_1005Metric]  19.07 11.91 90 bottom
C62#4  22n  [C_0402_1005Metric]  76.18 11.91 90 bottom
C63  22n  [C_0402_1005Metric]  45.64 81.38 0 top
C63#2  22n  [C_0402_1005Metric]  102.75 81.38 0 top
C63#3  22n  [C_0402_1005Metric]  45.64 39.37 0 top
C63#4  22n  [C_0402_1005Metric]  102.75 39.37 0 top
C64  22n  [C_0402_1005Metric]  26.09 53.92 90 bottom
C64#2  22n  [C_0402_1005Metric]  83.2 53.92 90 bottom
C64#3  22n  [C_0402_1005Metric]  26.09 11.91 90 bottom
C64#4  22n  [C_0402_1005Metric]  83.2 11.91 90 bottom
C65  22n  [C_0402_1005Metric]  45.64 85.4 0 top
C65#2  22n  [C_0402_1005Metric]  102.75 85.4 0 top
C65#3  22n  [C_0402_1005Metric]  45.64 43.39 0 top
C65#4  22n  [C_0402_1005Metric]  102.75 43.39 0 top
C66  22n  [C_0402_1005Metric]  1.43 66.32 90 top
C66#2  22n  [C_0402_1005Metric]  58.54 66.32 90 top
C66#3  22n  [C_0402_1005Metric]  1.43 24.31 90 top
C66#4  22n  [C_0402_1005Metric]  58.54 24.31 90 top
C67  22n  [C_0402_1005Metric]  3.43 66.32 90 top
C67#2  22n  [C_0402_1005Metric]  60.54 66.32 90 top
C67#3  22n  [C_0402_1005Metric]  3.43 24.31 90 top
C67#4  22n  [C_0402_1005Metric]  60.54 24.31 90 top
C68  22n  [C_0402_1005Metric]  20.07 53.92 270 bottom
C68#2  22n  [C_0402_1005Metric]  77.18 53.92 270 bottom
C68#3  22n  [C_0402_1005Metric]  20.07 11.91 270 bottom
C68#4  22n  [C_0402_1005Metric]  77.18 11.91 270 bottom
C69  22n  [C_0402_1005Metric]  45.64 80.38 180 top
C69#2  22n  [C_0402_1005Metric]  102.75 80.38 180 top
C69#3  22n  [C_0402_1005Metric]  45.64 38.37 180 top
C69#4  22n  [C_0402_1005Metric]  102.75 38.37 180 top
C70  22n  [C_0402_1005Metric]  25.09 53.92 270 bottom
C70#2  22n  [C_0402_1005Metric]  82.2 53.92 270 bottom
C70#3  22n  [C_0402_1005Metric]  25.09 11.91 270 bottom
C70#4  22n  [C_0402_1005Metric]  82.2 11.91 270 bottom
C71  22n  [C_0402_1005Metric]  45.64 84.39 180 top
C71#2  22n  [C_0402_1005Metric]  102.75 84.39 180 top
C71#3  22n  [C_0402_1005Metric]  45.64 42.38 180 top
C71#4  22n  [C_0402_1005Metric]  102.75 42.38 180 top
C72  22n  [C_0402_1005Metric]  5.43 66.32 90 top
C72#2  22n  [C_0402_1005Metric]  62.54 66.32 90 top
C72#3  22n  [C_0402_1005Metric]  5.43 24.31 90 top
C72#4  22n  [C_0402_1005Metric]  62.54 24.31 90 top
C73  22n  [C_0402_1005Metric]  21.07 53.92 270 bottom
C73#2  22n  [C_0402_1005Metric]  78.18 53.92 270 bottom
C73#3  22n  [C_0402_1005Metric]  21.07 11.91 270 bottom
C73#4  22n  [C_0402_1005Metric]  78.18 11.91 270 bottom
C74  22n  [C_0402_1005Metric]  24.09 53.92 270 bottom
C74#2  22n  [C_0402_1005Metric]  81.2 53.92 270 bottom
C74#3  22n  [C_0402_1005Metric]  24.09 11.91 270 bottom
C74#4  22n  [C_0402_1005Metric]  81.2 11.91 270 bottom
C75  22n  [C_0402_1005Metric]  45.64 82.38 180 top
C75#2  22n  [C_0402_1005Metric]  102.75 82.38 180 top
C75#3  22n  [C_0402_1005Metric]  45.64 40.37 180 top
C75#4  22n  [C_0402_1005Metric]  102.75 40.37 180 top
C76  22uF  [C_0603_1608Metric]  42.68 63.76 90 bottom
C76#2  22uF  [C_0603_1608Metric]  99.79 63.76 90 bottom
C76#3  22uF  [C_0603_1608Metric]  42.68 21.75 90 bottom
C76#4  22uF  [C_0603_1608Metric]  99.79 21.75 90 bottom
C77  100pF  [C_0402_1005Metric]  42.85 67.68 270 bottom
C77#2  100pF  [C_0402_1005Metric]  99.96 67.68 270 bottom
C77#3  100pF  [C_0402_1005Metric]  42.85 25.68 270 bottom
C77#4  100pF  [C_0402_1005Metric]  99.96 25.68 270 bottom
C78  2.2uF  [C_0603_1608Metric]  38.79 70.42 0 bottom
C78#2  2.2uF  [C_0603_1608Metric]  95.9 70.42 0 bottom
C78#3  2.2uF  [C_0603_1608Metric]  95.9 28.41 0 bottom
C78#4  2.2uF  [C_0603_1608Metric]  38.79 28.41 0 bottom
C79  22nF  [C_0402_1005Metric]  40.3 68.99 180 bottom
C79#2  22nF  [C_0402_1005Metric]  97.41 68.99 180 bottom
C79#3  22nF  [C_0402_1005Metric]  40.3 26.98 180 bottom
C79#4  22nF  [C_0402_1005Metric]  97.41 26.98 180 bottom
C80  22nF  [C_0402_1005Metric]  41.25 70.64 180 bottom
C80#2  22nF  [C_0402_1005Metric]  98.36 70.64 180 bottom
C80#3  22nF  [C_0402_1005Metric]  41.25 28.63 180 bottom
C80#4  22nF  [C_0402_1005Metric]  98.36 28.63 180 bottom
C81  22nF  [C_0402_1005Metric]  40.3 67.99 180 bottom
C81#2  22nF  [C_0402_1005Metric]  97.41 67.99 180 bottom
C81#3  22nF  [C_0402_1005Metric]  40.3 25.98 180 bottom